# Altium PCB 2CH_PM_Simulator.PcbDoc (part 1 of 4) (continued)
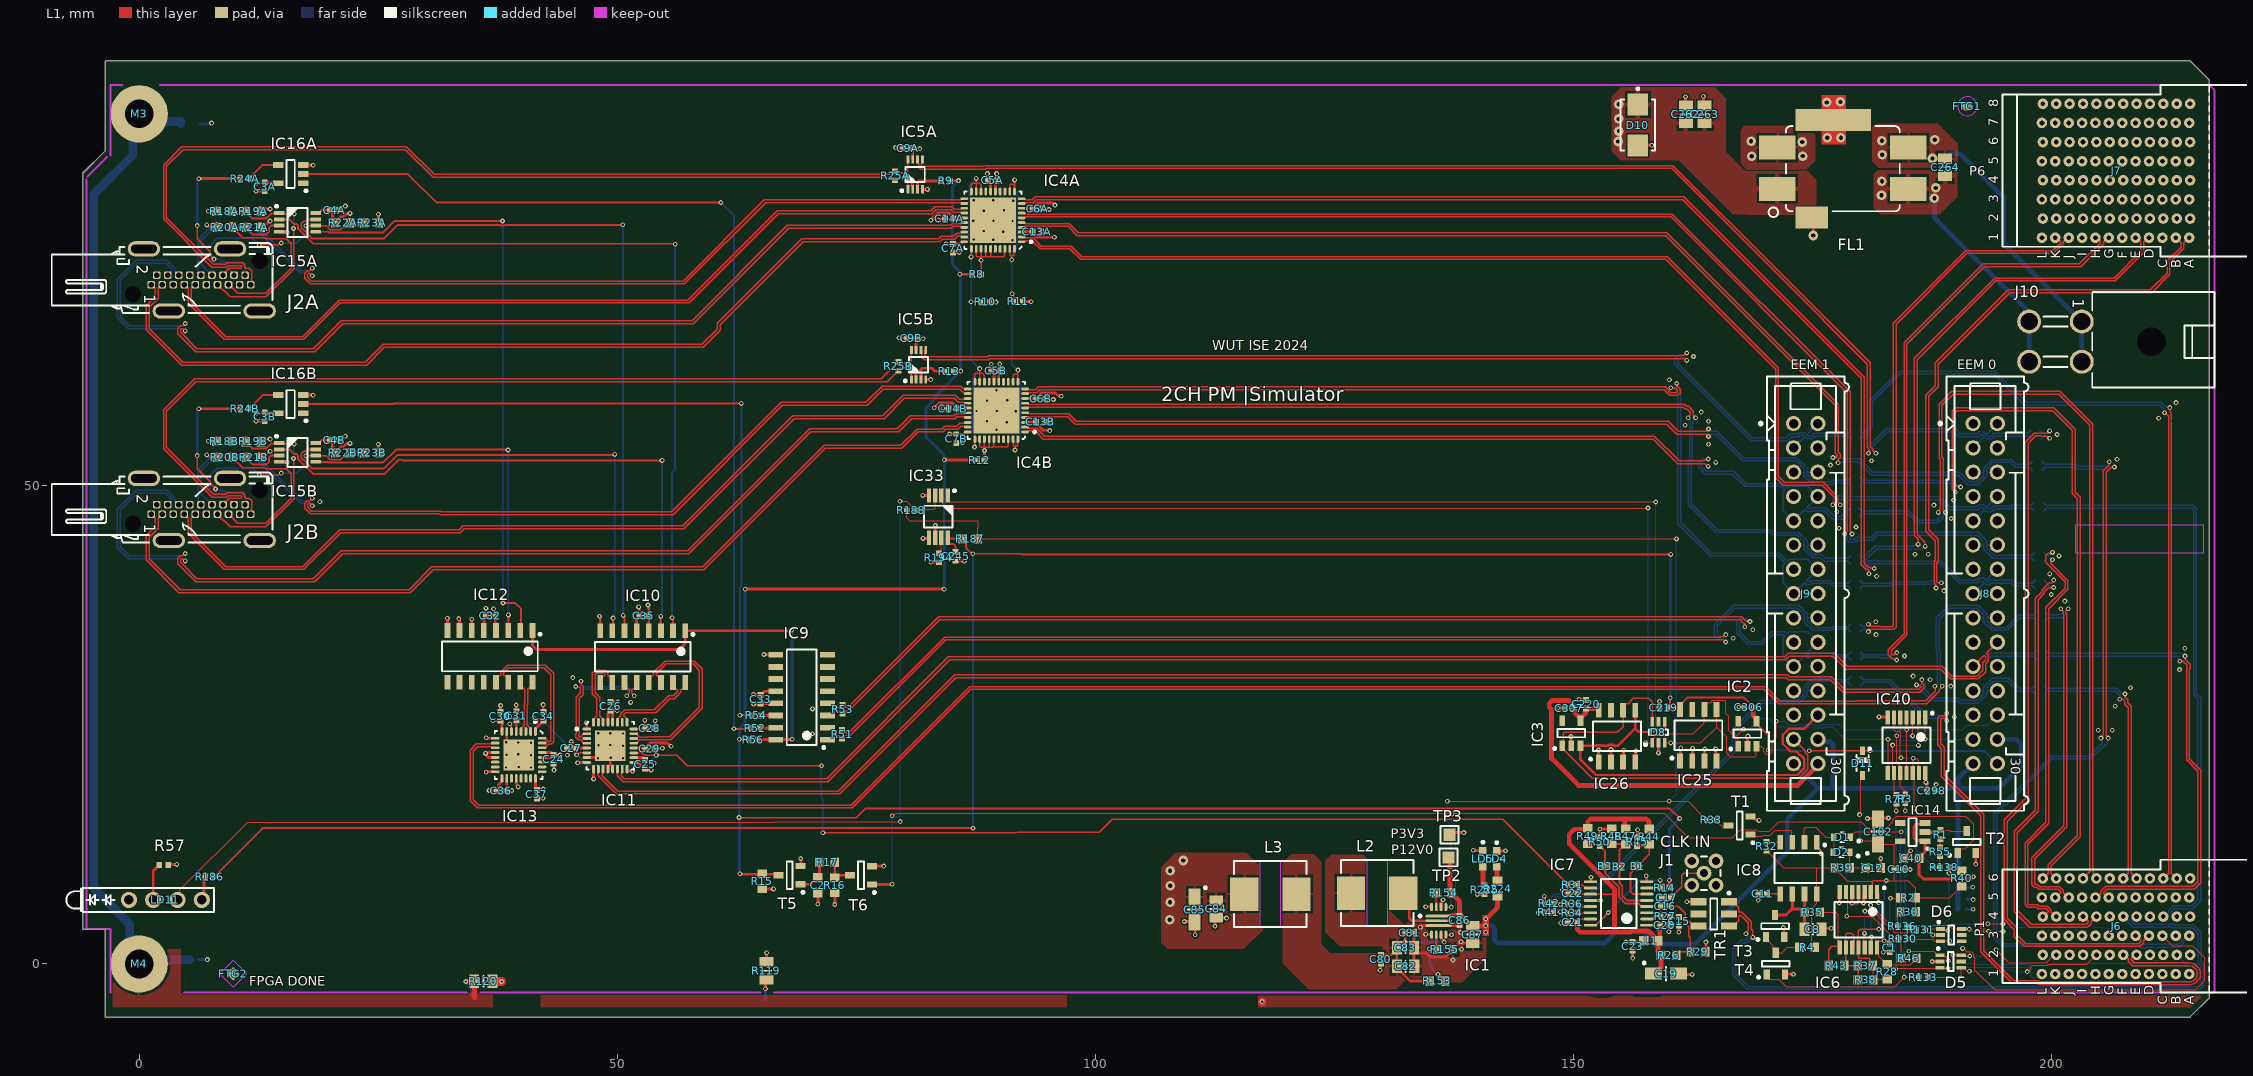
[diagram p0: L1 view]
## Classes and differential pairs
component class Overlapping: J6
channel class Redriver: U_Redriver_0 U_Redriver_1
channel class PM_HDMI_CON: U_PM_HDMI_CON_0 U_PM_HDMI_CON_1
net class S50: CLKx2_IN
component class U_SPI_MUX: C24 C25 C26 C27 C28 C29 C30 C31 C32 C33 C34 C35 C36 C37 IC9 IC10 IC11 IC12 IC13 R51 R52 R53 R54
component class U_Redriver_1: C5B C6B C7B C9B C13B C14B IC4B IC5B R25B
component class U_Redriver_0: C5A C6A C7A C9A C13A C14A IC4A IC5A R25A
component class U_PM_HDMI_CON_1: C3B C4B IC15B IC16B J2B R18B R19B R20B R21B R22B R23B R24B
component class U_PM_HDMI_CON_0: C3A C4A IC15A IC16A J2A R18A R19A R20A R21A R22A R23A R24A
component class U_CLK_GEN: B1 B2 B3 C15 C16 C17 C19 C20 C21 C22 C23 IC7 L1 R26 R27 R29 R31 R34 R36 R41 R42 R44 R45 R47 R48 R49 R50 TR1
net class HPOW: P12V0
component class EEM_Connectors: C219 C220 C298 C306 C307 D8 IC2 IC3 IC25 IC26 IC40 IC42 IC43 J8 J9 R3 R5 R6 R7 R77 R143 R144 R145 R146 R147 R148 R149 R150 R151 R152 R156 R157 R158 R159 R161 R162 R163 R164 R167 R168 R169 R170 R171 R172 R173 R174 R175 R176 R177 R257 R260 R261 R262
differential pair class MGT: BP_MGT.Rx BP_MGT.Tx BP_MGT_Rx BP_MGT_Tx FMC_MGT.DP_C2M0 FMC_MGT.DP_C2M1 FMC_MGT.DP_C2M2 FMC_MGT.DP_C2M3 FMC_MGT.DP_C2M4 FMC_MGT.DP_C2M5 FMC_MGT.DP_C2M6 FMC_MGT.DP_C2M7 FMC_MGT.DP_C2M8 FMC_MGT.DP_C2M9 FMC_MGT.DP_M2C0 FMC_MGT.DP_M2C1 FMC_MGT.DP_M2C2 FMC_MGT.DP_M2C3 FMC_MGT.DP_M2C4 FMC_MGT.DP_M2C5 FMC_MGT.DP_M2C6 FMC_MGT.DP_M2C7 FMC_MGT.DP_M2C8 FMC_MGT.DP_M2C9 MGT_RX0 MGT_RX1 MGT_RX2 MGT_RX3 MGT_RXC3 MGT_TX0 MGT_TX1 MGT_TX2 MGT_TX3 MGT_TXC3
net class ESD_STRIP: STRIP1 STRIP2 STRIP3
net class PWR: NetC264_2 P12V0 P12V0_DIOT
differential pair class Diff_100Ohm: BP_IO.LVDS0 BP_IO.LVDS1 BP_IO.LVDS2 BP_IO.LVDS3 BP_IO.LVDS4 BP_IO.LVDS5 BP_IO.LVDS6 BP_IO.LVDS7 BP_IO.LVDS8 BP_IO.LVDS9 BP_IO.LVDS10 BP_IO.LVDS11 BP_IO.LVDS12 BP_IO.LVDS13 BP_IO.LVDS14 BP_IO.LVDS15 CK_MMCX CK_MMCX_ALT CK_MMCX_IN CK_OSC CK_OSC_ALT CK_SMA CK_SMA_ALT CK_SMA_IN DDR3_CK DDR3_LDQS DDR3_UDQS EEM_IO.LVDS0 EEM_IO.LVDS1 EEM_IO.LVDS2 EEM_IO.LVDS3 EEM_IO.LVDS4 EEM_IO.LVDS5 EEM_IO.LVDS6 EEM_IO.LVDS7 EEM_IO.LVDS8 EEM_IO.LVDS9 EEM_IO.LVDS10 EEM_IO.LVDS11 EEM_IO.LVDS12 EEM_IO.LVDS13 EEM_IO.LVDS14 EEM_IO.LVDS15 FMC.HA0 FMC.HA1 FMC.HA2 FMC.HA3 FMC.HA4 FMC.HA5 FMC.HA6 FMC.HA7 FMC.HA8 FMC.HA9 FMC.HA10 FMC.HA11 FMC.HA12 FMC.HA13 FMC.HA14 FMC.HA15 FMC.HA16 FMC.HA17 FMC.HA18 FMC.HA19 FMC.HA20 FMC.HA21 FMC.HA22 FMC.HA23 FMC.HB0 FMC.HB1 FMC.HB2 FMC.HB3 FMC.HB4 FMC.HB5 FMC.HB6 FMC.HB7 FMC.HB8 FMC.HB9 FMC.HB10 FMC.HB11 FMC.HB12 FMC.HB13 FMC.HB14 FMC.HB15 FMC.HB16 FMC.HB17 FMC.HB18 FMC.HB19 FMC.HB20 FMC.HB21 FMC.LA0 FMC.LA1 FMC.LA2 FMC.LA3 FMC.LA4 FMC.LA5 FMC.LA6 FMC.LA7 FMC.LA8 FMC.LA9 FMC.LA10 FMC.LA11 FMC.LA12 FMC.LA13 FMC.LA14 FMC.LA15 FMC.LA16 FMC.LA17 FMC.LA18 FMC.LA19 FMC.LA20 FMC.LA21 FMC.LA22 FMC.LA23 FMC.LA24 FMC.LA25 FMC.LA26 FMC.LA27 FMC.LA28 FMC.LA29 FMC.LA30 FMC.LA31 FMC.LA32 FMC.LA33 FMC_CLK.CLK_BIDIR2 FMC_CLK.CLK_BIDIR3 FMC_CLK.CLK_M2C0 FMC_CLK.CLK_M2C1 FMC_MGT.GBTCLK_M2C0 FMC_MGT.GBTCLK_M2C1 GBTCLK0_M2C LVDS_DUAL0 LVDS_DUAL1 LVDS_DUAL2 LVDS_DUAL3 LVDS_DUAL4 LVDS_JTAG_TCK LVDS_JTAG_TDI LVDS_JTAG_TDO LVDS_JTAG_TMS LVDS_JTAG_TRSTn MGT_OR_LVDS OSC PE_CK PE_CLK PE_CLK.CLK PE_CLK_ALT
net class GA[0..3]: GA0 GA1 GA2
net class EEM_IO.LVDS_P[0..15]: EEM_IO.LVDS_P0 EEM_IO.LVDS_P1 EEM_IO.LVDS_P2 EEM_IO.LVDS_P3 EEM_IO.LVDS_P4 EEM_IO.LVDS_P5 EEM_IO.LVDS_P6 EEM_IO.LVDS_P7 EEM_IO.LVDS_P8 EEM_IO.LVDS_P9 EEM_IO.LVDS_P10 EEM_IO.LVDS_P11 EEM_IO.LVDS_P12 EEM_IO.LVDS_P13 EEM_IO.LVDS_P14 EEM_IO.LVDS_P15
net class EEM_IO.LVDS_N[0..15]: EEM_IO.LVDS_N0 EEM_IO.LVDS_N1 EEM_IO.LVDS_N2 EEM_IO.LVDS_N3 EEM_IO.LVDS_N4 EEM_IO.LVDS_N5 EEM_IO.LVDS_N6 EEM_IO.LVDS_N7 EEM_IO.LVDS_N8 EEM_IO.LVDS_N9 EEM_IO.LVDS_N10 EEM_IO.LVDS_N11 EEM_IO.LVDS_N12 EEM_IO.LVDS_N13 EEM_IO.LVDS_N14 EEM_IO.LVDS_N15
net class BP_IO.LVDS_P[0..15]: BP_IO.LVDS_P0 BP_IO.LVDS_P1 BP_IO.LVDS_P2 BP_IO.LVDS_P3 BP_IO.LVDS_P4 BP_IO.LVDS_P5 BP_IO.LVDS_P6 BP_IO.LVDS_P7 BP_IO.LVDS_P8 BP_IO.LVDS_P9 BP_IO.LVDS_P10 BP_IO.LVDS_P11 BP_IO.LVDS_P12 BP_IO.LVDS_P13 BP_IO.LVDS_P14 BP_IO.LVDS_P15
net class BP_IO.LVDS_N[0..15]: BP_IO.LVDS_N0 BP_IO.LVDS_N1 BP_IO.LVDS_N2 BP_IO.LVDS_N3 BP_IO.LVDS_N4 BP_IO.LVDS_N5 BP_IO.LVDS_N6 BP_IO.LVDS_N7 BP_IO.LVDS_N8 BP_IO.LVDS_N9 BP_IO.LVDS_N10 BP_IO.LVDS_N11 BP_IO.LVDS_N12 BP_IO.LVDS_N13 BP_IO.LVDS_N14 BP_IO.LVDS_N15
component class CPCIS_Connectors_P1_P6: C1 C8 C10 C11 C12 D1 D2 D5 D6 IC6 IC8 J6 J7 R1 R2 R4 R28 R30 R32 R33 R35 R37 R38 R39 R40 R43 R46 R55 R130 R131 R133 R136 R138 T1 T2 T3 T4
component class 2CH_PM_Simulator: C2 C212 FTG1 FTG2 FTG3 FTG4 J1 M3 M4 R8 R9 R10 R11 R12 R13 R14 R15 R16 R17 R56 R119 R120 R126 T5 T6
component class U_PWR_Supply: C40 C79 C80 C81 C82 C83 C84 C85 C86 C87 C102 C245 C262 C263 C264 D10 D11 FL1 IC1 IC14 IC33 J10 L2 L3 LD4 LD5 LD11 R57 R153 R154 R155 R186 R187 R188 R194 R224 R225 TP2 TP3
pad class MH: M3-1 M4-1
differential pair HSEL1: +HSEL1_P -HSEL1_N
differential pair HSEL0: +HSEL0_P -HSEL0_N
differential pair HSCK1: +HSCK1_P -HSCK1_N
differential pair HSCK0: +HSCK0_P -HSCK0_N
differential pair HMOSI1: +HMOSI1_P -HMOSI1_N
differential pair HMOSI0: +HMOSI0_P -HMOSI0_N
differential pair EEM_IO.LVDS15: +EEM_IO.LVDS_P15 -EEM_IO.LVDS_N15
differential pair TCM_CLKB: +TCM_CLKB_P -TCM_CLKB_N
differential pair TCM_CLKA: +TCM_CLKA_P -TCM_CLKA_N
differential pair HDMI_PM_DT1B: +HDMI_PM_DT1B_P -HDMI_PM_DT1B_N
differential pair HDMI_PM_DT1A: +HDMI_PM_DT1A_P -HDMI_PM_DT1A_N
differential pair HDMI_PM_DT0B: +HDMI_PM_DT0B_P -HDMI_PM_DT0B_N
differential pair HDMI_PM_DT0A: +HDMI_PM_DT0A_P -HDMI_PM_DT0A_N
differential pair HDMI_PM_DA1B: +HDMI_PM_DA1B_P -HDMI_PM_DA1B_N
differential pair HDMI_PM_DA1A: +HDMI_PM_DA1A_P -HDMI_PM_DA1A_N
differential pair HDMI_PM_DA0B: +HDMI_PM_DA0B_P -HDMI_PM_DA0B_N
differential pair HDMI_PM_DA0A: +HDMI_PM_DA0A_P -HDMI_PM_DA0A_N
differential pair EEM_IO.LVDS4: +EEM_IO.LVDS_P4 -EEM_IO.LVDS_N4
differential pair EEM_IO.LVDS3: +EEM_IO.LVDS_P3 -EEM_IO.LVDS_N3
differential pair EEM_IO.LVDS2: +EEM_IO.LVDS_P2 -EEM_IO.LVDS_N2
differential pair EEM_IO.LVDS1: +EEM_IO.LVDS_P1 -EEM_IO.LVDS_N1
differential pair EEM_IO.LVDS0: +EEM_IO.LVDS_P0 -EEM_IO.LVDS_N0
differential pair BP_MGT_Rx: +BP_MGT_Rx_P -BP_MGT_Rx_N
differential pair BP_MGT_Tx: +BP_MGT_Tx_P -BP_MGT_Tx_N
differential pair PE_CLK.CLK: +PE_CLK.CLK_P -PE_CLK.CLK_N
differential pair EEM_IO.LVDS14: +EEM_IO.LVDS_P14 -EEM_IO.LVDS_N14
differential pair EEM_IO.LVDS13: +EEM_IO.LVDS_P13 -EEM_IO.LVDS_N13
differential pair EEM_IO.LVDS12: +EEM_IO.LVDS_P12 -EEM_IO.LVDS_N12
differential pair EEM_IO.LVDS11: +EEM_IO.LVDS_P11 -EEM_IO.LVDS_N11
differential pair EEM_IO.LVDS10: +EEM_IO.LVDS_P10 -EEM_IO.LVDS_N10
differential pair EEM_IO.LVDS9: +EEM_IO.LVDS_P9 -EEM_IO.LVDS_N9
differential pair EEM_IO.LVDS8: +EEM_IO.LVDS_P8 -EEM_IO.LVDS_N8
differential pair EEM_IO.LVDS7: +EEM_IO.LVDS_P7 -EEM_IO.LVDS_N7
differential pair EEM_IO.LVDS6: +EEM_IO.LVDS_P6 -EEM_IO.LVDS_N6
differential pair EEM_IO.LVDS5: +EEM_IO.LVDS_P5 -EEM_IO.LVDS_N5
differential pair BP_IO.LVDS15: +BP_IO.LVDS_P15 -BP_IO.LVDS_N15
differential pair BP_IO.LVDS14: +BP_IO.LVDS_P14 -BP_IO.LVDS_N14
differential pair BP_IO.LVDS13: +BP_IO.LVDS_P13 -BP_IO.LVDS_N13
differential pair BP_IO.LVDS12: +BP_IO.LVDS_P12 -BP_IO.LVDS_N12
differential pair BP_IO.LVDS11: +BP_IO.LVDS_P11 -BP_IO.LVDS_N11
differential pair BP_IO.LVDS10: +BP_IO.LVDS_P10 -BP_IO.LVDS_N10
differential pair BP_IO.LVDS9: +BP_IO.LVDS_P9 -BP_IO.LVDS_N9
differential pair BP_IO.LVDS8: +BP_IO.LVDS_P8 -BP_IO.LVDS_N8
differential pair BP_IO.LVDS7: +BP_IO.LVDS_P7 -BP_IO.LVDS_N7
differential pair BP_IO.LVDS6: +BP_IO.LVDS_P6 -BP_IO.LVDS_N6
differential pair BP_IO.LVDS5: +BP_IO.LVDS_P5 -BP_IO.LVDS_N5
differential pair BP_IO.LVDS4: +BP_IO.LVDS_P4 -BP_IO.LVDS_N4
differential pair BP_IO.LVDS3: +BP_IO.LVDS_P3 -BP_IO.LVDS_N3
differential pair BP_IO.LVDS2: +BP_IO.LVDS_P2 -BP_IO.LVDS_N2
differential pair BP_IO.LVDS1: +BP_IO.LVDS_P1 -BP_IO.LVDS_N1
differential pair BP_IO.LVDS0: +BP_IO.LVDS_P0 -BP_IO.LVDS_N0

## Components (designator, comment, footprint, x,y, rotation, side; value= is the part's Value field where it differs from the comment)
B1 "SMD Pad" C100 156.693,10.236 r0 top
B2 "SMD Pad" C100 154.813,10.185 r0 top
B3 "SMD Pad" C100 153.289,10.236 r0 top
C1 "100nF" CAPC1005X55N 183.058,1.676 r90 top
C2 "1uF" CAPC1608X87N 70.968,8.23 r90 top
C3A "100nF" CAPC1005X55N 13.132,81.255 r90 top (schematic designator C3)
C3B "100nF" CAPC1005X55N 13.132,57.201 r90 top (schematic designator C3)
C4A "100nF" CAPC1005X55N 20.389,78.842 r180 top (schematic designator C4)
C4B "100nF" CAPC1005X55N 20.389,54.788 r180 top (schematic designator C4)
C5A "100nF" CAPC1005X55N 89.205,81.94 r0 top (schematic designator C5)
C5B "100nF" CAPC1005X55N 89.56,62.052 r0 top (schematic designator C5)
C6A "100nF" CAPC1005X55N 93.929,78.994 r180 top (schematic designator C6)
C6B "100nF" CAPC1005X55N 94.285,59.106 r180 top (schematic designator C6)
C7A "100nF" CAPC1005X55N 85.09,74.828 r90 top (schematic designator C7)
C7B "100nF" CAPC1005X55N 85.446,54.94 r90 top (schematic designator C7)
C8 "22uF" CAPC2012X135N 175.031,3.632 r180 top
C9A "100nF" CAPC1005X55N 80.366,85.319 r0 top (schematic designator C9)
C9B "100nF" CAPC1005X55N 80.721,65.43 r0 top (schematic designator C9)
C10 "100nF" CAPC1005X55N 183.998,9.881 r180 top
C11 "100nF" CAPC1005X55N 169.766,7.341 r0 top
C12 "1uF" CAPC1608X87N 181.305,10.033 r180 top
C13A "100nF" CAPC1005X55N 93.878,76.581 r180 top (schematic designator C13)
C13B "100nF" CAPC1005X55N 94.234,56.693 r180 top (schematic designator C13)
C14A "100nF" CAPC1005X55N 84.734,77.953 r0 top (schematic designator C14)
C14B "100nF" CAPC1005X55N 85.09,58.064 r0 top (schematic designator C14)
C15 "100nF" CAPC1005X55N 161.036,4.47 r90 top
C16 "100nF" CAPC1005X55N 159.588,6.045 r180 top
C17 "100nF" CAPC1005X55N 159.715,6.934 r180 top
C19 "10uF" CAPMP3216X180N 159.664,-1.016 r0 top
C20 "100nF" CAPC1005X55N 159.512,4.064 r180 top
C21 "100nF" CAPC1005X55N 149.885,4.343 r0 top
C22 "100nF" CAPC1005X55N 149.911,7.391 r0 top
C23 "100nF" CAPC1005X55N 156.159,1.854 r90 top
C24 "100nF" CAPC1005X55N 43.332,21.419 r90 top
C25 "100nF" CAPC1005X55N 52.908,20.879 r270 top
C26 "100nF" CAPC1005X55N 49.301,26.942 r270 top
C27 "100nF" CAPC1005X55N 45.187,22.581 r0 top
C28 "100nF" CAPC1005X55N 53.391,24.663 r180 top
C29 "100nF" CAPC1005X55N 53.416,22.53 r180 top
C30 "100nF" CAPC1005X55N 37.77,25.883 r270 top
C31 "100nF" CAPC1005X55N 39.446,25.959 r270 top
C32 "100nF" CAPC1005X55N 36.703,36.398 r0 top
C33 "100nF" CAPC1005X55N 64.973,27.661 r270 top
C34 "100nF" CAPC1005X55N 42.266,25.883 r270 top
C35 "100nF" CAPC1005X55N 52.749,36.398 r0 top
C36 "100nF" CAPC1005X55N 37.846,18.11 r180 top
C37 "100nF" CAPC1005X55N 41.58,17.755 r90 top
C40 "1uF" CAPC1608X87N 185.318,11.074 r0 top
C79 "100nF" CAPC1005X55N 135.64,5.963 r0 bottom
C80 "100nF" CAPC1005X55N 129.845,0.483 r90 top
C81 "100nF" CAPC1005X55N 132.867,3.277 r180 top
C82 "22uF" CAPC2012X135N 132.436,-0.254 r180 top
C83 "22uF" CAPC2012X135N 132.41,1.702 r180 top
C84 "22uF" CAPC2012X135N 112.624,5.755 r90 top
C85 "10uF" CAPMP3216X180N 110.363,5.69 r270 top
C86 "100nF" CAPC1005X55N 138.074,4.547 r90 top
C87 "22uF" CAPC2012X135N 139.471,3.073 r90 top
C102 "4.7uF" CAPMP3216X180N 181.839,13.843 r90 top
C212 "22pF" CAPC1005X55N 5.748,0.45 r0 bottom
C219 "100nF" CAPC1005X55N 159.436,26.797 r0 top
C220 "100nF" CAPC1005X55N 151.308,27.16 r270 top
C245 "100nF" CAPC1005X55N 85.369,42.621 r90 top
C262 "10uF" CAPC2012X95N 161.739,88.851 r270 top
C263 "10uF" CAPC2012X95N 163.689,88.851 r270 top
C264 "10uF" CAPC2012X95N 188.849,83.312 r270 top
C298 "100nF" CAPC1005X55N 187.427,18.11 r180 top
C306 "100nF" CAPC1005X55N 168.326,26.848 r0 top
C307 "100nF" CAPC1005X55N 149.562,26.746 r0 top
D1 "CDBU0520-HF" SOD-523F 178.079,13.259 r180 top
D2 "CDBU0520-HF" SOD-523F 178.003,11.684 r180 top
D5 "PESD3V3L5UY" SOT65P210X110-6N 189.433,0.254 r0 top
D6 "PESD3V3L5UY" SOT65P210X110-6N 189.484,3.023 r0 top
D8 "PESD3V3L5UY" SOT65P210X110-6N 158.877,24.232 r90 top
D10 "SMBJ12A" DIOM5336X265N 156.718,87.732 r270 top
D11 "BAT165" SOD2512X110N 180.213,21.006 r270 top
FL1 "10A/50VDC" FIL_MURATA_BNX02 178.156,83.16 r180 top
FTG1 "Use only in PCB" FIDUCIAL_TOP_C100-200 191.16,89.687 r90 top
FTG2 "Use only in PCB" FIDUCIAL_TOP_S100-200 9.83,-1.016 r90 top
FTG3 "Use only in PCB" FIDUCIAL_TOP_S100-200 190.673,90.157 r90 bottom
FTG4 "Use only in PCB" FIDUCIAL_TOP_S100-200 8.204,-1.016 r90 bottom
IC1 "TPS62148RGX" TEXAS_RGX0011A 135.89,4.513 r0 top
IC2 "24AA02E48T-I/OT" SOT95P280X145-5N 168.173,24.079 r90 top
IC3 "24AA02E48T-I/OT" SOT95P280X145-5N 149.758,24.13 r90 top
IC4A "DS25BR440TSQ/NOPB" QFN50P600X600X80-41N-S480 89.281,77.775 r180 top (schematic designator IC4)
IC4B "DS25BR440TSQ/NOPB" QFN50P600X600X80-41N-S480 89.637,57.887 r180 top (schematic designator IC4)
IC5A "FIN1101K8X" SOP50P310X90-8N 81.146,82.56 r90 top (schematic designator IC5)
IC5B "FIN1101K8X" SOP50P310X90-8N 81.502,62.672 r90 top (schematic designator IC5)
IC6 "74HC4066PW" SOP65P640X110-14N 179.781,4.613 r270 top
IC7 "NB3N3020DTG" TSOP65P640X120-16N 154.711,6.325 r180 top
IC8 "TLC555ID" SOIC127P600X175-8N 173.507,10.033 r270 top
IC9 "DS90LV048ATM/NOPB" SOIC127P600X175-16N 69.266,27.889 r180 top
IC10 "DS90LV047ATM/NOPB" SOIC127P600X175-16N 52.654,32.139 r270 top
IC11 "SY89543LMG" QFN50P500X500X90-33N-S320 49.264,22.831 r0 top
IC12 "DS90LV047ATM/NOPB" SOIC127P600X175-16N 36.678,32.156 r270 top
IC13 "SY89543LMG" QFN50P500X500X90-33N-S320 39.687,21.856 r270 top
IC14 "MIC5219-3.3YM5" SOT95P280X145-5N 185.445,13.792 r180 top
IC15A "SN74LVC3G17DCT" SOP65P400X130-8N 16.556,77.541 r0 top (schematic designator IC15)
IC15B "SN74LVC3G17DCT" SOP65P400X130-8N 16.556,53.487 r0 top (schematic designator IC15)
IC16A "SN74LVC1G17DBV" SOT95P280X145-5N 15.845,82.601 r180 top (schematic designator IC16)
IC16B "SN74LVC1G17DBV" SOT95P280X145-5N 15.845,58.547 r180 top (schematic designator IC16)
IC25 "24AA025E48-I/SN" SOIC127P600X175-8N 163.043,23.927 r90 top
IC26 "24AA025E48-I/SN" SOIC127P600X175-8N 154.534,23.825 r90 top
IC33 "LM75AIMM/NOPB" SOP65P490X109-8N 83.563,46.787 r270 top
IC40 "74HC4066PW" SOP65P640X110-14N 184.81,22.885 r270 top
J1 "Coax_1Female_1Shield" SAMTEC_MMCX-J-P-H-ST-TH1 163.627,9.5 r0 top
J2A "HDMI" TYCO_2007435-1 6.453,71.531 r270 top (schematic designator J2)
J2B "HDMI" TYCO_2007435-1 6.453,47.531 r270 top (schematic designator J2)
J6 "P1" AMPHENOL_10052825-101LF 206.719,3.95 r90 top locked
J7 "P6" AMPHENOL_10052838-101LF 206.719,82.95 r90 top locked
J8 "" 3M_N2530-6002RB 193.043,38.73 r270 top locked
J9 "" 3M_N2530-6002RB 174.273,38.729 r270 top locked
J10 "Mini-Fit Jr.™" MOLEX_39-30-0040 200.389,65.075 r270 top
L1 "120R@100MHz" INDC1608X65N 158.064,2.438 r0 top
L2 "1.5uH" IND_WURTH_WE-LHMI_7050 129.457,7.417 r180 top
L3 "1.5uH" IND_WURTH_WE-LHMI_7050 118.288,7.315 r180 top
LD4 "Green" LED_KINGBRIGHT_KPH-1608CGCK 141.961,10.986 r270 top
LD5 "Green" LED_KINGBRIGHT_KPH-1608CGCK 140.513,11.024 r270 top
LD11 "Red/Green" LED_DIALIGHT_571-0112F -1.07,6.7 r0 top locked
M3 "Plated Hole" MTG300_600 0.568,88.9 r0 top locked
M4 "Plated Hole" MTG300_600 0.568,0 r0 top locked
R1 "200" RESC1005X40N 188.366,13.538 r270 top
R2 "10k" RESC1608X55N 184.988,6.934 r180 top
R3 "0" RESC1005X40N 184.683,17.272 r90 top
R4 "10k" RESC1608X55N 174.422,1.727 r0 top
R5 "0" RESC1005X40N 179.502,55.829 r180 bottom
R6 "0" RESC1005X40N 179.476,49.987 r180 bottom
R7 "0" RESC1005X40N 179.362,47.701 r180 bottom
R8 "0" RESC1005X40N 87.579,72.111 r180 top
R9 "0" RESC1005X40N 84.366,81.89 r0 top
R10 "0" RESC1005X40N 88.494,69.24 r0 top
R11 "0" RESC1005X40N 91.935,69.291 r0 top
R12 "0" RESC1005X40N 87.897,52.654 r180 top
R13 "0" RESC1005X40N 84.709,61.976 r0 top
R14 "0" RESC1005X40N 159.537,7.976 r180 top
R15 "2k7" RESC1608X55N 65.151,8.649 r270 top
R16 "10k" RESC1608X55N 72.72,8.23 r270 top
R17 "10k" RESC1608X55N 71.933,10.643 r0 top
R18A "200" RESC1608X55N 8.89,78.715 r180 top (schematic designator R18)
R18B "200" RESC1608X55N 8.89,54.661 r180 top (schematic designator R18)
R19A "200" RESC1608X55N 11.939,78.691 r180 top (schematic designator R19)
R19B "200" RESC1608X55N 11.939,54.638 r180 top (schematic designator R19)
R20A "200" RESC1608X55N 8.941,77.064 r180 top (schematic designator R20)
R20B "200" RESC1608X55N 8.941,53.01 r180 top (schematic designator R20)
R21A "200" RESC1608X55N 11.965,77.022 r180 top (schematic designator R21)
R21B "200" RESC1608X55N 11.965,52.968 r180 top (schematic designator R21)
R22A "200" RESC1608X55N 21.298,77.495 r180 top (schematic designator R22)
R22B "200" RESC1608X55N 21.298,53.442 r180 top (schematic designator R22)
R23A "200" RESC1608X55N 24.309,77.527 r180 top (schematic designator R23)
R23B "200" RESC1608X55N 24.309,53.473 r180 top (schematic designator R23)
R24A "49R9" RESC1005X40N 11.024,82.118 r180 top (schematic designator R24)
R24B "49R9" RESC1005X40N 11.024,58.064 r180 top (schematic designator R24)
R25A "100" RESC1005X40N 79.045,82.41 r90 top (schematic designator R25)
R25B "100" RESC1005X40N 79.4,62.522 r90 top (schematic designator R25)
R26 "10k" RESC1608X55N 159.944,0.914 r180 top
R27 "49R9" RESC1005X40N 159.563,4.978 r0 top
R28 "10k" RESC1608X55N 182.778,-0.813 r90 top
R29 "10k" RESC1608X55N 162.979,1.295 r180 top
R30 "10k" RESC1608X55N 184.963,5.461 r180 top
R31 "33" RESC1005X40N 149.885,8.306 r180 top
R32 "0" RESC1005X40N 170.18,12.319 r90 top
R33 "0" RESC1005X40N 164.389,15.062 r180 top
R34 "68" RESC1005X40N 149.835,5.359 r180 top
R35 "2k7" RESC1608X55N 174.955,5.41 r180 top
R36 "68" RESC1005X40N 149.835,6.299 r180 top
R37 "10k" RESC1608X55N 180.492,-0.163 r180 top
R38 "10k" RESC1608X55N 180.543,-1.651 r180 top
R39 "10k" RESC1608X55N 178.054,10.058 r0 top
R40 "10k" RESC1608X55N 190.602,8.941 r270 top
R41 "100" RESC1005X40N 147.422,5.385 r0 top
R42 "100" RESC1005X40N 147.447,6.325 r0 top
R43 "2k7" RESC1608X55N 177.483,-0.163 r0 top
R44 "Undefined" RESC1608X55N 157.912,13.31 r90 top
R45 "33" RESC1005X40N 156.642,12.789 r90 top
R46 "10k" RESC1608X55N 185.039,0.61 r180 top
R47 "Undefined" RESC1608X55N 155.473,13.348 r90 top
R48 "Undefined" RESC1608X55N 153.975,13.36 r90 top
R49 "Undefined" RESC1608X55N 151.486,13.373 r90 top
R50 "33" RESC1005X40N 152.73,12.802 r90 top
R51 "100" RESC1005X40N 73.508,24.003 r90 top
R52 "0" RESC1005X40N 64.44,24.663 r180 top
R53 "100" RESC1005X40N 73.558,26.619 r270 top
R54 "0" RESC1005X40N 64.516,25.984 r180 top
R55 "22" RESC1005X40N 188.316,11.735 r270 top
R56 "0" RESC1005X40N 64.237,23.47 r0 top
R57 "1k6" RESC1005X40N 2.565,10.363 r0 top
R77 "0" RESC1005X40N 183.744,17.247 r90 top
R119 "10M" RESC2113X55N 65.583,-0.711 r90 top
R120 "10M" RESC2113X55N 35.998,-1.8 r180 top
R126 "1M1" RESC2012X60N 5.348,87.85 r0 bottom
R130 "22" RESC1005X40N 184.442,2.642 r0 top
R131 "22" RESC1005X40N 186.309,3.556 r0 top
R133 "22" RESC1005X40N 186.563,-1.372 r0 top
R136 "22" RESC1005X40N 184.379,3.937 r0 top
R138 "22" RESC1005X40N 188.773,10.109 r0 top
R143 "0" RESC1005X40N 179.515,30.074 r0 bottom
R144 "0" RESC1005X40N 179.527,29.108 r0 bottom
R145 "0" RESC1005X40N 198.285,55.855 r180 bottom
R146 "0" RESC1005X40N 198.476,52.603 r180 bottom
R147 "0" RESC1005X40N 198.603,48.285 r180 bottom
R148 "0" RESC1005X40N 198.679,42.113 r180 bottom
R149 "0" RESC1005X40N 198.73,40.157 r180 bottom
R150 "0" RESC1005X40N 198.857,35.89 r180 bottom
R151 "0" RESC1005X40N 198.907,32.791 r180 bottom
R152 "0" RESC1005X40N 198.73,29.134 r180 bottom
R153 "38k3" RESC1608X55N 135.763,-1.778 r180 top
R154 "49k9" RESC1608X55N 136.398,7.468 r180 top
R155 "12k1" RESC1608X55N 136.55,1.524 r0 top
R156 "0" RESC1005X40N 179.464,41.783 r180 bottom
R157 "0" RESC1005X40N 179.476,40.132 r180 bottom
R158 "0" RESC1005X40N 179.476,34.671 r180 bottom
R159 "0" RESC1005X40N 179.502,32.664 r180 bottom
R161 "0" RESC1005X40N 198.349,54.889 r180 bottom
R162 "0" RESC1005X40N 198.476,51.587 r180 bottom
R163 "0" RESC1005X40N 198.628,47.346 r180 bottom
R164 "0" RESC1005X40N 198.679,43.053 r180 bottom
R167 "0" RESC1005X40N 198.73,39.218 r180 bottom
R168 "0" RESC1005X40N 198.857,36.83 r180 bottom
R169 "0" RESC1005X40N 198.907,31.852 r180 bottom
R170 "0" RESC1005X40N 198.73,28.194 r180 bottom
R171 "0" RESC1005X40N 179.502,54.889 r180 bottom
R172 "0" RESC1005X40N 179.476,50.927 r180 bottom
R173 "0" RESC1005X40N 179.375,46.761 r180 bottom
R174 "0" RESC1005X40N 179.464,42.723 r180 bottom
R175 "0" RESC1005X40N 179.476,39.218 r180 bottom
R176 "0" RESC1005X40N 179.476,35.585 r180 bottom
R177 "0" RESC1005X40N 179.502,31.75 r180 bottom
R186 "1k6" RESC1005X40N 7.391,9.144 r0 top
R187 "10k" RESC1608X55N 86.893,44.475 r180 top
R188 "0" RESC1005X40N 80.721,47.447 r180 top
R194 "0" RESC1005X40N 83.617,42.469 r90 top
R224 "10k" RESC1608X55N 142.043,7.875 r270 top
R225 "1k" RESC1005X40N 140.691,7.772 r270 top
R257 "0" RESC1005X40N 190.653,9.099 r180 bottom
R260 "0" RESC1005X40N 190.602,5.715 r180 bottom
R261 "0" RESC1005X40N 190.653,6.859 r180 bottom
R262 "0" RESC1005X40N 190.653,7.979 r180 bottom
T1 "BSS138LT1G" SOT95P240X110-3N 167.361,14.478 r180 top
T2 "BSS138LT1G" SOT95P240X110-3N 191.11,12.751 r90 top
T3 "BSS138LT1G" SOT95P240X110-3N 171.069,3.962 r90 top
T4 "BSS138LT1G" SOT95P240X110-3N 171.145,0.025 r90 top
T5 "BSS138LT1G" SOT95P240X110-3N 68.014,9.286 r180 top
T6 "BSS138LT1G" SOT95P240X110-3N 75.489,9.271 r180 top
TP2 "P12V0" TPS127 136.931,11.151 r180 top
TP3 "P3V3" TPS127 137.008,13.513 r180 top
TR1 "1:2" XFMR_MINI-CIRCUITS_DB714 164.658,5.232 r270 top

## Footprints (in the part's own frame and the unit in brackets; to place one, negate y for a bottom-side part, rotate by r counter-clockwise, add the part's x,y. Pads: shape width x height; smd on the part's side, far side on the other; paste and mask are expansions set on the pad)
3M_N2530-6002RB [mm] "30 Contacts - Straight .100\" x .100\" Low Profile Four-Wall Header"
  round 1.6 hole 1: 1(-17.78,-1.27) 2(-17.78,1.27) 3(-15.24,-1.27) 4(-15.24,1.27) 5(-12.7,-1.27) 6(-12.7,1.27) 7(-10.16,-1.27) 8(-10.16,1.27) 9(-7.62,-1.27) 10(-7.62,1.27) 11(-5.08,-1.27) 12(-5.08,1.27) 13(-2.54,-1.27) 14(-2.54,1.27) 15(0,-1.27) 16(0,1.27) 17(2.54,-1.27) 18(2.54,1.27) 19(5.08,-1.27) 20(5.08,1.27) 21(7.62,-1.27) 22(7.62,1.27) 23(10.16,-1.27) 24(10.16,1.27) 25(12.7,-1.27) 26(12.7,1.27) 27(15.24,-1.27) 28(15.24,1.27) 29(17.78,-1.27) 30(17.78,1.27)
  silkscreen extent -22.71,-4.85 22.71,4.52, body extent -22.71,-4.11 22.71,4.52, height 9.91
AMPHENOL_10052825-101LF [mm] "72 Contacts, 2mm Pitch, 6 Columns, 4 Pairs per Column, 4 Walls, Right Angle Header"
  round 1.1 hole 0.5: A1(-5,-7.65) A2(-3,-7.75) A3(-1,-7.65) A4(1,-7.75) A5(3,-7.65) A6(5,-7.75) B1(-5,-6.25) B2(-3,-6.35) B3(-1,-6.25) B4(1,-6.35) B5(3,-6.25) B6(5,-6.35) C1(-5,-4.85) C2(-3,-4.95) C3(-1,-4.85) C4(1,-4.95) C5(3,-4.85) C6(5,-4.95) D1(-5,-3.45) D2(-3,-3.55) D3(-1,-3.45) D4(1,-3.55) D5(3,-3.45) D6(5,-3.55) E1(-5,-2.05) E2(-3,-2.15) E3(-1,-2.05) E4(1,-2.15) E5(3,-2.05) E6(5,-2.15) F1(-5,-0.65) F2(-3,-0.75) F3(-1,-0.65) F4(1,-0.75) F5(3,-0.65) F6(5,-0.75) G1(-5,0.75) G2(-3,0.65) G3(-1,0.75) G4(1,0.65) G5(3,0.75) G6(5,0.65) H1(-5,2.15) H2(-3,2.05) H3(-1,2.15) H4(1,2.05) H5(3,2.15) H6(5,2.05) I1(-5,3.55) I2(-3,3.45) I3(-1,3.55) I4(1,3.45) I5(3,3.55) I6(5,3.45) J1(-5,4.95) J2(-3,4.85) J3(-1,4.95) J4(1,4.85) J5(3,4.95) J6(5,4.85) K1(-5,6.35) K2(-3,6.25) K3(-1,6.35) K4(1,6.25) K5(3,6.35) K6(5,6.25) L1(-5,7.75) L2(-3,7.65) L3(-1,7.75) L4(1,7.65) L5(3,7.75) L6(5,7.65)
  silkscreen extent -6.95,-21.95 6.95,11.85, body extent -6.95,-21.95 6.95,11.85, height 15.25
AMPHENOL_10052838-101LF [mm] "96 Contacts, 2mm Pitch, 8 Columns, 4 Pairs per Column, 4 Walls, Right Angle Header"
  round 1.1 hole 0.5: A1(-7,-7.65) A2(-5,-7.75) A3(-3,-7.65) A4(-1,-7.75) A5(1,-7.65) A6(3,-7.75) A7(5,-7.65) A8(7,-7.75) B1(-7,-6.25) B2(-5,-6.35) B3(-3,-6.25) B4(-1,-6.35) B5(1,-6.25) B6(3,-6.35) B7(5,-6.25) B8(7,-6.35) C1(-7,-4.85) C2(-5,-4.95) C3(-3,-4.85) C4(-1,-4.95) C5(1,-4.85) C6(3,-4.95) C7(5,-4.85) C8(7,-4.95) D1(-7,-3.45) D2(-5,-3.55) D3(-3,-3.45) D4(-1,-3.55) D5(1,-3.45) D6(3,-3.55) D7(5,-3.45) D8(7,-3.55) E1(-7,-2.05) E2(-5,-2.15) E3(-3,-2.05) E4(-1,-2.15) E5(1,-2.05) E6(3,-2.15) E7(5,-2.05) E8(7,-2.15) F1(-7,-0.65) F2(-5,-0.75) F3(-3,-0.65) F4(-1,-0.75) F5(1,-0.65) F6(3,-0.75) F7(5,-0.65) F8(7,-0.75) G1(-7,0.75) G2(-5,0.65) G3(-3,0.75) G4(-1,0.65) G5(1,0.75) G6(3,0.65) G7(5,0.75) G8(7,0.65) H1(-7,2.15) H2(-5,2.05) H3(-3,2.15) H4(-1,2.05) H5(1,2.15) H6(3,2.05) H7(5,2.15) H8(7,2.05) I1(-7,3.55) I2(-5,3.45) I3(-3,3.55) I4(-1,3.45) I5(1,3.55) I6(3,3.45) I7(5,3.55) I8(7,3.45) J1(-7,4.95) J2(-5,4.85) J3(-3,4.95) J4(-1,4.85) J5(1,4.95) J6(3,4.85) J7(5,4.95) J8(7,4.85) K1(-7,6.35) K2(-5,6.25) K3(-3,6.35) K4(-1,6.25) K5(1,6.35) K6(3,6.25) K7(5,6.35) K8(7,6.25) L1(-7,7.75) L2(-5,7.65) L3(-3,7.75) L4(-1,7.65) L5(1,7.75) L6(3,7.65) L7(5,7.75) L8(7,7.65)
  silkscreen extent -8.95,-21.95 8.95,11.85, body extent -8.95,-21.95 8.95,11.85, height 15.25
C100 [mm] "1mm Diameter SMD Pad"
  round 1 smd paste-0.5: 1(0,0)
CAPC1005X55N [mm] "Capacitor, Non-Polarized, Chip; 1.00mm L X 0.50mm W X 0.70mm H, IPC Medium Density"
  rect 0.62x0.62 smd: 1(-0.45,0) 2(0.45,0)
  body extent -0.52,-0.27 0.53,0.28, height 0.55
CAPC1608X87N [mm] "Chip Capacitor, Body 1.6x0.8mm IPC Medium Density"
  rect 0.95x1 smd: 1(-0.8,0) 2(0.8,0)
  body extent -0.87,-0.47 0.88,0.48, height 0.87
CAPC2012X95N [mm] "Chip Capacitor, Body 2.0x1.25mm, IPC Medium Density"
  rect 1.1x1.45 smd: 1(-0.9,0) 2(0.9,0)
  silkscreen extent 0,-0.58 0,0.58, body extent -1.05,-0.67 1.05,0.68, height 0.95
CAPC2012X135N [mm] "Chip Capacitor, Body 2.0x1.25mm, IPC Medium Density"
  rect 1.05x1.4 smd: 1(-0.9,0) 2(0.9,0)
  silkscreen extent 0,-0.58 0,0.58, body extent -1.05,-0.67 1.05,0.68, height 1.25
CAPMP3216X180N [mm] "Capacitor, Polarized, Molded  Body 3.2x1.6mm, IPC Medium Density"
  rect 1.8x1.25 smd: 1(-1.3,0) 2(1.3,0)
  silkscreen extent -2.4,-0.7 0,1.25, body extent -1.7,-0.9 1.7,0.9, height 1.6
DIOM5336X265N [mm] "DO-214-AA/SMB Diode, Molded Body; 5.34mm L X 3.625mm W X 2.65mm H, IPC Medium Density"
  rect 2.3x2.15 smd: 1(-2.15,0) 2(2.15,0)
  silkscreen extent -3.92,-1.8 2.65,1.8, body extent -2.7,-1.95 2.7,1.95, height 2.4
FIDUCIAL_TOP_C100-200 [mm] "Round Fiducial Target, Top Layer, 1.0mm, Top Solder 2.0mm, Keepout =2.0mm"
  round 1 smd paste-0.51 mask+0.5: FTG2(0,0)
  L1 keep-out circle w0.1: c0,0 r1
FIDUCIAL_TOP_S100-200 [mm] "Square Fiducial Target, Top Layer, 1.0mm, Top Solder 2.0mm, Keepout =2.0mm"
  rect 1x1 smd rot 45 paste-0.51 mask+0.5: 1(0,0)
  L1 keep-out region: 1.414,0 0,-1.414 -1.414,0 0,1.414
FIL_MURATA_BNX02 [mm] "Block Type EMIFIL LC Combined Type, BNX02* Series"
  rect 3.8x2.5 smd: 1(-6.85,2.1) 2(6.85,2.1) 3(-6.85,-2.2) 4(6.85,-2.2)
  rect 7.9x2.3 smd: 4(1,-5.1)
  rect 3.4x2.3 smd: 4(3.25,5.1)
  silkscreen extent -5.95,-4.45 7.77,5.05, body extent -6.05,-4.55 6.05,4.55, height 3.1
IND_WURTH_WE-LHMI_7050 [mm] "SMD Power Inductor (We-LHMI Series), Body 7.6x6.9mm"
  rect 2.95x3.5 smd: 1(-2.725,0) 2(2.725,0)
  L1 keep-out region: 1.1,-3.45 1.1,3.45 -1.1,3.45 -1.1,-3.45
  silkscreen extent -3.8,-3.45 3.8,3.45, body extent -3.65,-3.3 3.65,3.3, height 4.8
INDC1608X65N [mm] "Chip Inductor, 2-Leads, EIA 0603, Metric 1608, Body 1.6x0.8mm, IPC Medium Density"
  rect 1x1 smd: 1(-0.75,0) 2(0.75,0)
  body extent -0.87,-0.47 0.88,0.48, height 0.65
LED_DIALIGHT_571-0112F [mm] "2x 2mm LED (Top: Red, Bot: Green) PCB Edge Mounting (Without positioning pins) DIALIGHT 571 Serie"
  round 1.7 hole 1: 1(0,0) 2(2.54,0) 3(5.08,0) 4(7.62,0)
  silkscreen extent -6.55,-1.24 8.89,1.24, body extent -6.55,-1.24 8.89,1.24, height 8.61
LED_KINGBRIGHT_KPH-1608CGCK [mm] "SMT Green LED, Case 0603, Body L 1.6 x W 0.8mm H 0.65mm"
  rect 0.8x0.8 smd: 1(-0.825,0) 2(0.825,0)
  silkscreen extent -1.82,-0.4 0.08,0.4, body extent -0.8,-0.4 0.8,0.4, height 0.65
MOLEX_39-30-0040 [mm] "4.20mm (.165\") Pitch Mini-Fit Jr. Header, Dual Row, Right Angle with Snap-in Plastic Peg PCB Lock, 4 Circuits"
  round 2.5 hole 1.8: 1(-2.1,2.75) 2(2.1,2.75) 3(-2.1,-2.75) 4(2.1,-2.75)
  round 1 hole 3 unplated mask+1: 5(0,10.05)
  silkscreen extent -5.2,-1.24 4.8,16.65, body extent -5.2,-3.28 4.8,16.65, height 11.4
MTG300_600 [mm] "Plated Through Hole: Hole Dia.=3.0mm Pad Dia.=6.0mm"
  round 6 hole 3: 1(-0.568,0)
QFN50P500X500X90-33N-S320 [mm] "QFN, (MO-220-VHHD-2) 0.50mm Pitch, Square; 32 Pin, 5.00mm X 5.00mm X 0.90mm H body (w/Thermal Tab 3.20 X 3.20mm), IPC Medium Density"
  oval 0.9x0.3 smd: 1(-2.45,1.75) 2(-2.45,1.25) 3(-2.45,0.75) 4(-2.45,0.25) 5(-2.45,-0.25) 6(-2.45,-0.75) 7(-2.45,-1.25) 8(-2.45,-1.75) 17(2.45,-1.75) 18(2.45,-1.25) 19(2.45,-0.75) 20(2.45,-0.25) 21(2.45,0.25) 22(2.45,0.75) 23(2.45,1.25) 24(2.45,1.75)
  oval 0.3x0.9 smd: 9(-1.75,-2.45) 10(-1.25,-2.45) 11(-0.75,-2.45) 12(-0.25,-2.45) 13(0.25,-2.45) 14(0.75,-2.45) 15(1.25,-2.45) 16(1.75,-2.45) 25(1.75,2.45) 26(1.25,2.45) 27(0.75,2.45) 28(0.25,2.45) 29(-0.25,2.45) 30(-0.75,2.45) 31(-1.25,2.45) 32(-1.75,2.45)
  rect 3.2x3.2 smd: 33(0,0)
  silkscreen extent -3.62,-2.5 2.5,2.5, body extent -2.5,-2.5 2.5,2.5, height 0.9
QFN50P600X600X80-41N-S480 [mm] "QFN, 0.50mm Pitch, Square; 40 Pin, 6.00mm L X 6.00mm W X 0.80mm H Body (w/Thermal Tab 4.8 x 4.8mm), IPC Medium Density"
  oval 0.8x0.3 smd: 1(-3,2.25) 2(-3,1.75) 3(-3,1.25) 4(-3,0.75) 5(-3,0.25) 6(-3,-0.25) 7(-3,-0.75) 8(-3,-1.25) 9(-3,-1.75) 10(-3,-2.25) 21(3,-2.25) 22(3,-1.75) 23(3,-1.25) 24(3,-0.75) 25(3,-0.25) 26(3,0.25) 27(3,0.75) 28(3,1.25) 29(3,1.75) 30(3,2.25)
  oval 0.3x0.8 smd: 11(-2.25,-3) 12(-1.75,-3) 13(-1.25,-3) 14(-0.75,-3) 15(-0.25,-3) 16(0.25,-3) 17(0.75,-3) 18(1.25,-3) 19(1.75,-3) 20(2.25,-3) 31(2.25,3) 32(1.75,3) 33(1.25,3) 34(0.75,3) 35(0.25,3) 36(-0.25,3) 37(-0.75,3) 38(-1.25,3) 39(-1.75,3) 40(-2.25,3)
  rect 4.8x4.8 smd: 41(0,0)
  silkscreen extent -4.13,-3 3,3, body extent -3,-3 3,3, height 0.8
RESC1005X40N [mm] "Chip Resistor, EIA 0402, Metric 1005, Body 1.0x0.5mm, IPC Medium Density"
  rect 0.58x0.62 smd: 1(-0.47,0) 2(0.47,0)
  body extent -0.52,-0.27 0.53,0.28, height 0.4
RESC1608X55N [mm] "Chip Resistor, EIA 0603, Metric 1608, Body 1.6x0.8mm, IPC Medium Density"
  rect 0.9x1 smd: 1(-0.8,0) 2(0.8,0)
  body extent -0.87,-0.47 0.88,0.48, height 0.55
RESC2012X60N [mm] "Chip Resistor, EIA 0805, Metric 2012, Body 2.0x1.2mm, IPC Medium Density"
  rect 0.95x1.4 smd: 1(-1,0) 2(1,0)
  silkscreen extent 0,-0.55 0,0.55, body extent -1.1,-0.67 1.1,0.68, height 0.6
RESC2113X55N [mm] "Chip Resistor, EIA 0805, Metric 2113, Body 2.05x1.3mm, IPC Medium Density"
  rect 1x1.45 smd: 1(-0.95,0) 2(0.95,0)
  silkscreen extent 0,-0.55 0,0.55, body extent -1,-0.62 1,0.63, height 0.55
SAMTEC_MMCX-J-P-H-ST-TH1 [mm] "Straight Through-hole 50 Ohm Micro Mini RF Jack, MMCX Serie"
  round 1.55 hole 0.85: 1(0,0) 2(-1.27,-1.27) 2(-1.27,1.27) 2(1.27,-1.27) 2(1.27,1.27)
  silkscreen extent -1.75,-1.75 1.75,1.75, body extent -1.75,-1.75 1.75,1.75, height 4.35
SOD2512X110N [mm] "Small Outline Diode (SOD-323), 1.70mm W X 1.25mm L X 1.10mm H body,  IPC Medium Density"
  rect 0.9x0.5 smd: 1(-1.3,0) 2(1.3,0)
  silkscreen extent -1.62,-0.65 0.85,0.88, body extent -1.35,-0.67 1.35,0.68, height 1.1
SOD-523F [mm] "Small Outline Diode Flat Lead (SOD-523F), Body; 1.80mm L X 1mm W X 0.85mm H"
  rect 0.6x0.8 smd: 1(-0.85,0) 2(0.85,0)
  silkscreen extent -1.88,-0.5 0.2,0.52, body extent -0.91,-0.5 0.89,0.5, height 0.85
SOIC127P600X175-8N [mm] "SOIC 8, Pitch 1.27mm - Body 4x5mm, IPC Medium Density"
  rect 1.55x0.6 smd: 1(-2.7,1.905) 2(-2.7,0.635) 3(-2.7,-0.635) 4(-2.7,-1.905) 5(2.7,-1.905) 6(2.7,-0.635) 7(2.7,0.635) 8(2.7,1.905)
  silkscreen extent -2.52,-2.5 1.55,2.88, body extent -3.1,-2.5 3.1,2.5, height 1.75
SOIC127P600X175-16N [mm] "SOIC, 1.27mm Pitch; 16 pin, 3.90mm W X 9.90mm L X 1.75mm H body, IPC Medium Density"
  rect 1.55x0.6 smd: 1(-2.7,4.445) 2(-2.7,3.175) 3(-2.7,1.905) 4(-2.7,0.635) 5(-2.7,-0.635) 6(-2.7,-1.905) 7(-2.7,-3.175) 8(-2.7,-4.445) 9(2.7,-4.445) 10(2.7,-3.175) 11(2.7,-1.905) 12(2.7,-0.635) 13(2.7,0.635) 14(2.7,1.905) 15(2.7,3.175) 16(2.7,4.445)
  silkscreen extent -2.45,-5 1.55,5.37, body extent -3.1,-5 3.1,5, height 1.75
SOP50P310X90-8N [mm] "SOP, 0.50mm pitch; 8 pin, 2.30mm W X 2.00mm L X 0.90mm H body, PC Medium Density"
  rect 0.85x0.3 smd: 1(-1.55,0.75) 2(-1.55,0.25) 3(-1.55,-0.25) 4(-1.55,-0.75) 5(1.55,-0.75) 6(1.55,-0.25) 7(1.55,0.25) 8(1.55,0.75)
  silkscreen extent -1.82,-1 0.8,1.52, body extent -1.62,-1 1.62,1, height 0.9
SOP65P400X130-8N [mm] "SOP, 0.65mm, Pitch; 8 Pin, 2.80mm W X 2.95mm L X 1.30mm H Body, PC Medium Density"
  rect 1.1x0.4 smd: 1(-1.9,0.975) 2(-1.9,0.325) 3(-1.9,-0.325) 4(-1.9,-0.975) 5(1.9,-0.975) 6(1.9,-0.325) 7(1.9,0.325) 8(1.9,0.975)
  silkscreen extent -2.32,-1.5 1.02,1.82, body extent -2.15,-1.57 2.15,1.58, height 1.3
SOP65P490X109-8N [mm] "SOP, 0.65mm pitch; 8 pin,3.00mm W X 3.00mm L X 1.09mm H bodyI, PC Medium Density"
  rect 1.5x0.45 smd: 1(-2.2,0.975) 2(-2.2,0.325) 3(-2.2,-0.325) 4(-2.2,-0.975) 5(2.2,-0.975) 6(2.2,-0.325) 7(2.2,0.325) 8(2.2,0.975)
  silkscreen extent -2.82,-1.5 1.12,1.83, body extent -2.45,-1.55 2.45,1.55, height 1.09
SOP65P640X110-14N [mm] "SOP, 14-Leads, Body 4.4x5mm (max), Pitch 0.65mm, IPC Medium Density"
  rect 1.45x0.45 smd: 1(-2.9,1.95) 2(-2.9,1.3) 3(-2.9,0.65) 4(-2.9,0) 5(-2.9,-0.65) 6(-2.9,-1.3) 7(-2.9,-1.95) 8(2.9,-1.95) 9(2.9,-1.3) 10(2.9,-0.65) 11(2.9,0) 12(2.9,0.65) 13(2.9,1.3) 14(2.9,1.95)
  silkscreen extent -3.47,-2.5 1.85,2.83, body extent -3.12,-2.55 3.12,2.55, height 1.1
SOT65P210X110-6N [mm] "SOT363, SC70-6, SOT, 0.65mm Pitch, 6 Pin, 1.25mm W X 2.00mm L X 1.10mm H, IPC Medium Density"
  rect 0.95x0.4 smd: 1(-1.1,0.65) 2(-1.1,0) 3(-1.1,-0.65) 4(1.1,-0.65) 5(1.1,0) 6(1.1,0.65)
  silkscreen extent -1.42,-1 0.3,1.47, body extent -1.2,-1.1 1.2,1.1, height 1.1
SOT95P240X110-3N [mm] "SOT23 3-Leads, Pitch 0.95mm, Body 1.3x2.9mm, IPC Medium Density"
  rect 1.05x0.65 smd: 1(-1.15,0.95) 2(-1.15,-0.95) 3(1.15,0)
  silkscreen extent -1.53,-1.45 0.3,1.92, body extent -1.25,-1.5 1.25,1.5, height 1.1
SOT95P280X145-5N [mm] "SOT, 0.95mm pitch; 5 pin, 1.60mm W X 2.90mm L X 1.45mm H body, IPC Medium Density"
  rect 1.1x0.6 smd: 1(-1.3,0.95) 2(-1.3,0) 3(-1.3,-0.95) 4(1.3,-0.95) 5(1.3,0.95)
  silkscreen extent -1.72,-1.45 0.43,1.87, body extent -1.4,-1.5 1.4,1.5, height 1.45
TEXAS_RGX0011A [mm] "TEXAS Case Style (R-VQFN-HR-N11), 0.50mm Pitch, 11-pin, 2.00mm W X 3.00mm L X 1.00mm H Body"
  oval 2.75x0.3 smd: 1(0,0.5) 2(0,0) 3(0,-0.5)
  oval 0.3x0.85 smd: 4(-0.75,-1.45) 5(-0.25,-1.45) 6(0.25,-1.45) 7(0.75,-1.45) 8(0.75,1.45) 9(0.25,1.45) 10(-0.25,1.45) 11(-0.75,1.45)
  silkscreen extent -2.07,0.38 -1.82,0.62, body extent -1,-1.5 1,1.5, height 1
TPS127 [mm] "1.27 x  1.27mm SMD Test Point Area"
  rect 1.27x1.27 smd paste-1.27: 1(0,0)
  silkscreen extent -0.94,-0.94 0.94,0.94
TSOP65P640X120-16N [mm] "TSOP, 16-Leads, Body 5.00x4.40mm, Pitch 0.65mm, IPC Medium Density"
  oval 1.4x0.3 smd: 1(-2.95,2.275) 2(-2.95,1.625) 3(-2.95,0.975) 4(-2.95,0.325) 5(-2.95,-0.325) 6(-2.95,-0.975) 7(-2.95,-1.625) 8(-2.95,-2.275) 9(2.95,-2.275) 10(2.95,-1.625) 11(2.95,-0.975) 12(2.95,-0.325) 13(2.95,0.325) 14(2.95,0.975) 15(2.95,1.625) 16(2.95,2.275)
  silkscreen extent -1.85,-2.55 1.85,2.55, body extent -3.2,-2.55 3.2,2.55, height 1.2
TYCO_2007435-1 [mm] "0.578mm Pitch, Through-Hole Right Angle 19 Contacts Flag-HDMI Type-A Receptacle Thru Hole Mounting Pads"
  rrect50% 0.8x0.8 hole 0.55: 1(0.5,-5.202) 2(-0.5,-4.624) 3(0.5,-4.046) 4(-0.5,-3.468) 5(0.5,-2.89) 6(-0.5,-2.312) 7(0.5,-1.734) 8(-0.5,-1.156) 9(0.5,-0.578) 10(-0.5,0) 11(0.5,0.578) 12(-0.5,1.156) 13(0.5,1.734) 14(-0.5,2.312) 15(0.5,2.89) 16(-0.5,3.468) 17(0.5,4.046) 18(-0.5,4.624) 19(0.5,5.202)
  round 0.5 hole 1.7 unplated mask+0.6: H1(-2,6.148) H2(1.5,-7.102)
  oval 1.6x3.4 hole 0.9 slot 2.7 at 90 deg: SHIELD(-3.25,3.048) SHIELD(-3.25,-5.952) SHIELD(3.25,6.148) SHIELD(3.25,-3.352)
  silkscreen extent -3.87,-15.6 3.45,7.5, body extent -3.94,-15.6 3.94,7.5, height 16.43
XFMR_MINI-CIRCUITS_DB714 [mm] "MINI-CIRCUITS RF Transformer, Case DB715 - Body 4.06X3.81mm"
  rect 0.76x1.65 smd: 1(-1.27,1.59) 2(0,1.59) 3(1.27,1.59) 4(1.27,-1.59) 5(0,-1.59) 6(-1.27,-1.59)
  silkscreen extent -2.3,-0.37 1.63,1.73, body extent -1.63,-2.03 1.63,2.03, height 3.76